# KiCad board Orthodox.kicad_pcb
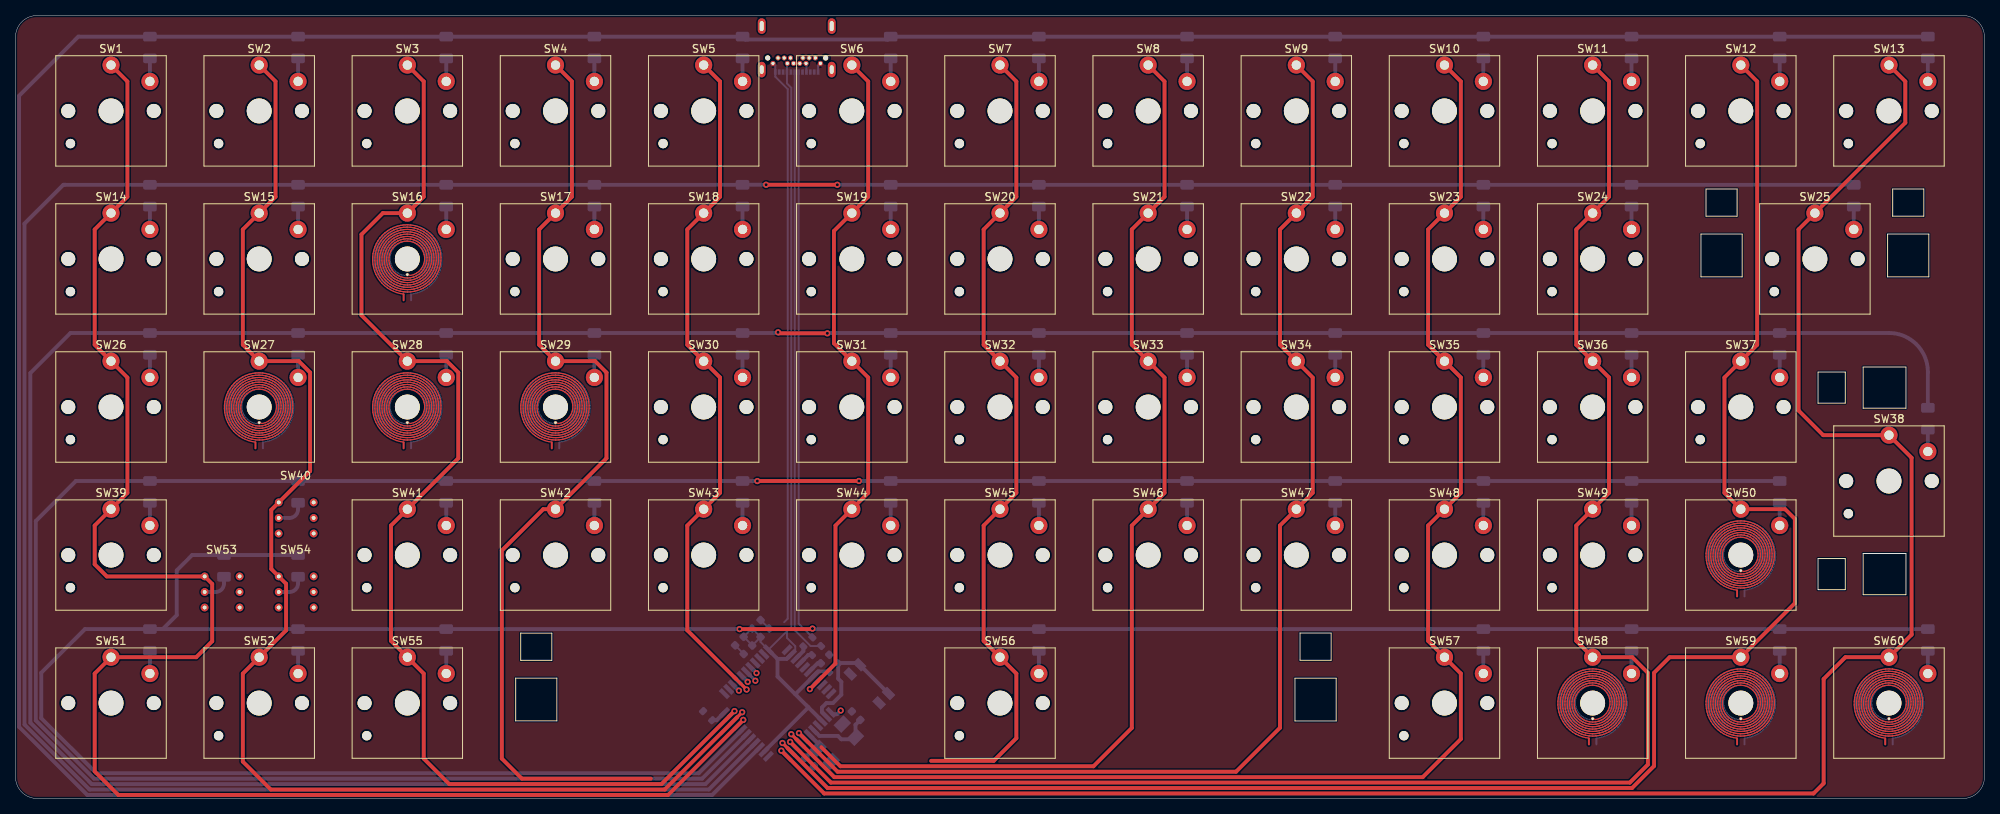
[diagram p0: board, top side]
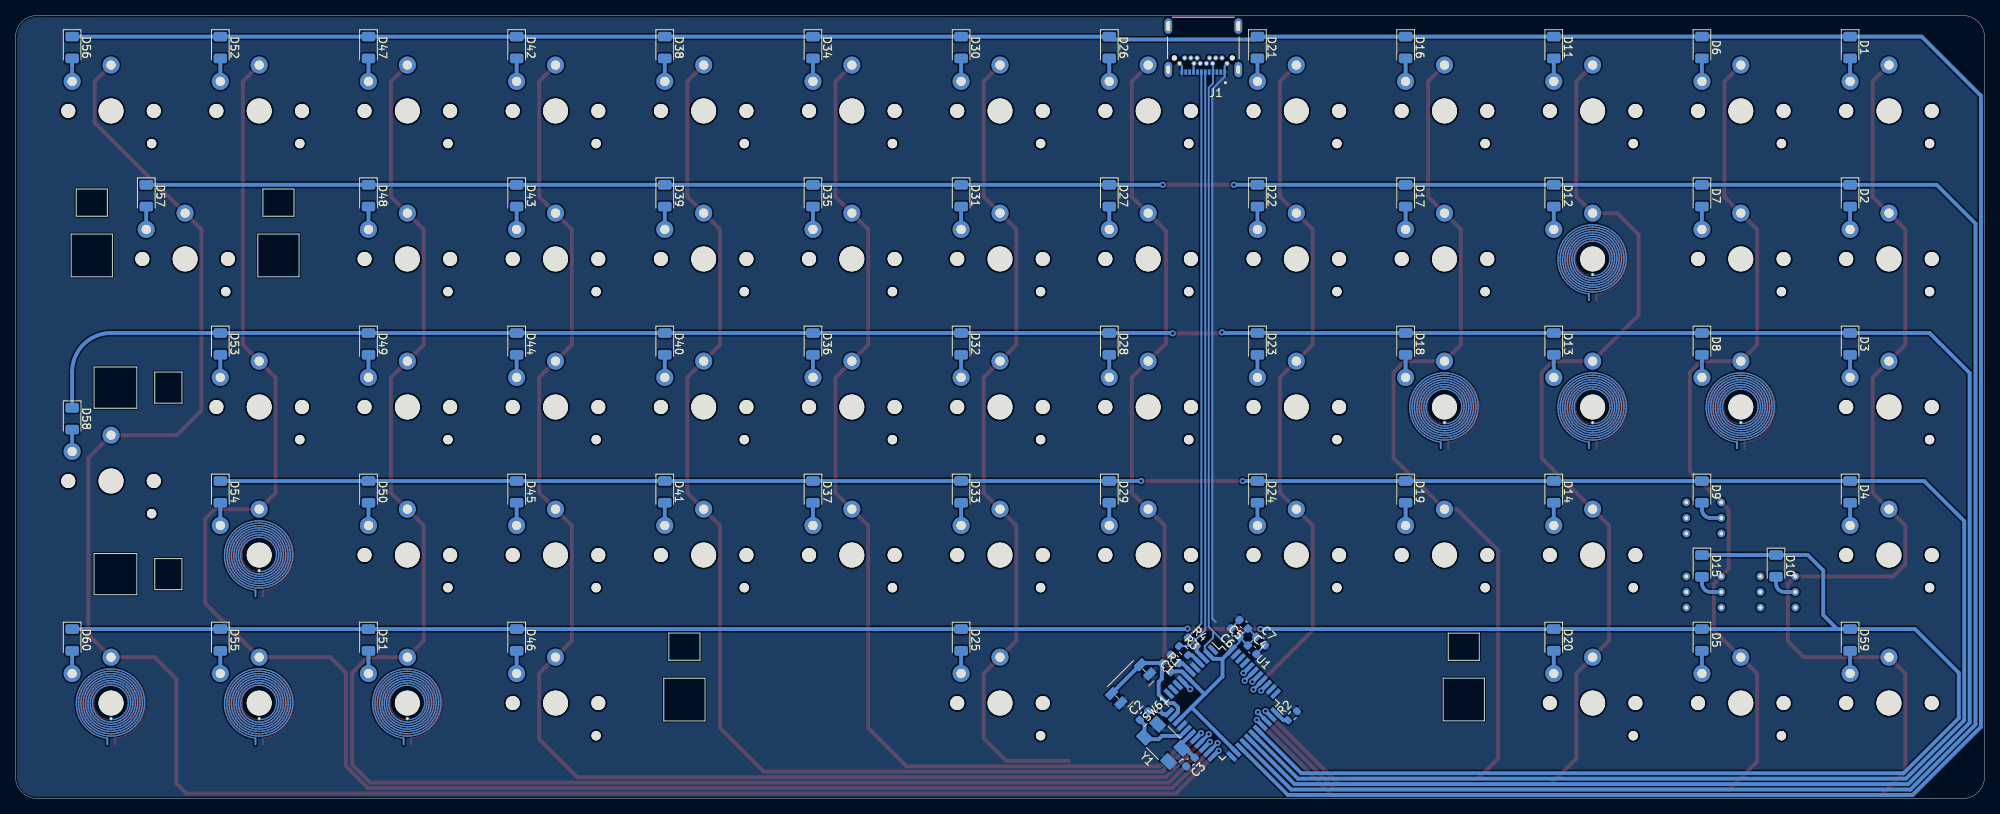
[diagram p1: board, bottom side, seen from below]

Outline 253.15 x 100.75 mm; copper layers: Top, Bottom. Coordinates in mm from the lower left corner of the outline.
Outline path: 250.4,100.75 2.75,100.75 arc(0.81,99.94) 0,98 0,2.75 arc(0.81,0.81) 2.75,0 250.4,0 arc(252.34,0.81) 253.15,2.75 253.15,98 arc(252.34,99.94) 250.4,100.75
Stack: Top 0.035mm / dielectric 1.51mm FR4 er 4.5 / Bottom 0.035mm

## Placement (name value [footprint] x y rotation side)
C1  C  [C_0603_1608Metric]  104.09 17.95 45 bottom
C2  22p  [C_0603_1608Metric]  108.06 10.66 135 bottom
C3  22p  [C_0603_1608Metric]  102.09 4.7 315 bottom
C4  C  [C_0603_1608Metric]  94.16 19.14 225 bottom
C5  C  [C_0603_1608Metric]  95.25 22.41 45 bottom
C6  C  [C_0603_1608Metric]  96.34 21.32 45 bottom
C7  C  [C_0603_1608Metric]  93.06 20.26 225 bottom
D1  D  [D_1206_3216Metric]  17.28 96.64 270 bottom
D2  D  [D_1206_3216Metric]  17.28 77.57 270 bottom
D3  D  [D_1206_3216Metric]  17.28 58.5 270 bottom
D4  D  [D_1206_3216Metric]  17.28 39.45 270 bottom
D5  D  [D_1206_3216Metric]  36.33 20.4 270 bottom
D6  D  [D_1206_3216Metric]  36.33 96.64 270 bottom
D7  D  [D_1206_3216Metric]  36.33 77.57 270 bottom
D8  D  [D_1206_3216Metric]  36.33 58.5 270 bottom
D9  D  [D_1206_3216Metric]  36.33 39.45 270 bottom
D10  D  [D_1206_3216Metric]  26.8 29.93 270 bottom
D11  D  [D_1206_3216Metric]  55.38 96.64 270 bottom
D12  D  [D_1206_3216Metric]  55.38 77.57 270 bottom
D13  D  [D_1206_3216Metric]  55.38 58.5 270 bottom
D14  D  [D_1206_3216Metric]  55.38 39.45 270 bottom
D15  D  [D_1206_3216Metric]  36.33 29.93 270 bottom
D16  D  [D_1206_3216Metric]  74.43 96.64 270 bottom
D17  D  [D_1206_3216Metric]  74.43 77.57 270 bottom
D18  D  [D_1206_3216Metric]  74.43 58.5 270 bottom
D19  D  [D_1206_3216Metric]  74.43 39.45 270 bottom
D20  D  [D_1206_3216Metric]  55.38 20.4 270 bottom
D21  D  [D_1206_3216Metric]  93.47 96.64 270 bottom
D22  D  [D_1206_3216Metric]  93.47 77.57 270 bottom
D23  D  [D_1206_3216Metric]  93.47 58.5 270 bottom
D24  D  [D_1206_3216Metric]  93.47 39.45 270 bottom
D25  D  [D_1206_3216Metric]  131.58 20.4 270 bottom
D26  D  [D_1206_3216Metric]  112.53 96.64 270 bottom
D27  D  [D_1206_3216Metric]  112.53 77.57 270 bottom
D28  D  [D_1206_3216Metric]  112.53 58.5 270 bottom
D29  D  [D_1206_3216Metric]  112.53 39.45 270 bottom
D30  D  [D_1206_3216Metric]  131.58 96.64 270 bottom
D31  D  [D_1206_3216Metric]  131.58 77.57 270 bottom
D32  D  [D_1206_3216Metric]  131.58 58.5 270 bottom
D33  D  [D_1206_3216Metric]  131.58 39.45 270 bottom
D34  D  [D_1206_3216Metric]  150.62 96.64 270 bottom
D35  D  [D_1206_3216Metric]  150.62 77.57 270 bottom
D36  D  [D_1206_3216Metric]  150.62 58.5 270 bottom
D37  D  [D_1206_3216Metric]  150.62 39.45 270 bottom
D38  D  [D_1206_3216Metric]  169.68 96.64 270 bottom
D39  D  [D_1206_3216Metric]  169.68 77.57 270 bottom
D40  D  [D_1206_3216Metric]  169.68 58.5 270 bottom
D41  D  [D_1206_3216Metric]  169.68 39.45 270 bottom
D42  D  [D_1206_3216Metric]  188.72 96.64 270 bottom
D43  D  [D_1206_3216Metric]  188.72 77.57 270 bottom
D44  D  [D_1206_3216Metric]  188.72 58.5 270 bottom
D45  D  [D_1206_3216Metric]  188.72 39.45 270 bottom
D46  D  [D_1206_3216Metric]  188.72 20.4 270 bottom
D47  D  [D_1206_3216Metric]  207.78 96.64 270 bottom
D48  D  [D_1206_3216Metric]  207.78 77.57 270 bottom
D49  D  [D_1206_3216Metric]  207.78 58.5 270 bottom
D50  D  [D_1206_3216Metric]  207.78 39.45 270 bottom
D51  D  [D_1206_3216Metric]  207.78 20.4 270 bottom
D52  D  [D_1206_3216Metric]  226.83 96.64 270 bottom
D53  D  [D_1206_3216Metric]  226.83 58.5 270 bottom
D54  D  [D_1206_3216Metric]  226.83 39.45 270 bottom
D55  D  [D_1206_3216Metric]  226.83 20.4 270 bottom
D56  D  [D_1206_3216Metric]  245.88 96.64 270 bottom
D57  D  [D_1206_3216Metric]  236.34 77.57 270 bottom
D58  D  [D_1206_3216Metric]  245.88 48.87 270 bottom
D59  D  [D_1206_3216Metric]  17.28 20.4 270 bottom
D60  D  [D_1206_3216Metric]  245.88 20.4 270 bottom
J1  USB_C_Receptacle_USB2.0  [GCT_USB4055-30-A]  100.44 98.05 0 bottom
R1  10k  [R_0603_1608Metric]  105.19 16.84 225 bottom
R2  10k  [R_0603_1608Metric]  88.98 10.65 135 bottom
R3  22R  [R_0603_1608Metric]  102.99 19.04 225 bottom
R4  22R  [R_0603_1608Metric]  101.88 20.15 225 bottom
SW1  SW_Push  [SW_Kailh_Choc_V1_1.00u]  12.28 88.48 0 top
SW2  SW_Push  [SW_Kailh_Choc_V1_1.00u]  31.33 88.48 0 top
SW3  SW_Push  [SW_Kailh_Choc_V1_1.00u]  50.38 88.48 0 top
SW4  SW_Push  [SW_Kailh_Choc_V1_1.00u]  69.43 88.48 0 top
SW5  SW_Push  [SW_Kailh_Choc_V1_1.00u]  88.47 88.48 0 top
SW6  SW_Push  [SW_Kailh_Choc_V1_1.00u]  107.53 88.48 0 top
SW7  SW_Push  [SW_Kailh_Choc_V1_1.00u]  126.58 88.48 0 top
SW8  SW_Push  [SW_Kailh_Choc_V1_1.00u]  145.62 88.48 0 top
SW9  SW_Push  [SW_Kailh_Choc_V1_1.00u]  164.68 88.48 0 top
SW10  SW_Push  [SW_Kailh_Choc_V1_1.00u]  183.72 88.48 0 top
SW11  SW_Push  [SW_Kailh_Choc_V1_1.00u]  202.78 88.48 0 top
SW12  SW_Push  [SW_Kailh_Choc_V1_1.00u]  221.83 88.48 0 top
SW13  SW_Push  [SW_Kailh_Choc_V1_1.00u]  240.88 88.48 0 top
SW14  SW_Push  [SW_Kailh_Choc_V1_1.00u]  12.28 69.43 0 top
SW15  SW_Push  [SW_Kailh_Choc_V1_1.00u]  31.33 69.43 0 top
SW16  SW_Push  [SW_Kailh_Choc_V1_1.00u_coil]  50.38 69.43 0 top
SW17  SW_Push  [SW_Kailh_Choc_V1_1.00u]  69.43 69.43 0 top
SW18  SW_Push  [SW_Kailh_Choc_V1_1.00u]  88.47 69.43 0 top
SW19  SW_Push  [SW_Kailh_Choc_V1_1.00u]  107.53 69.43 0 top
SW20  SW_Push  [SW_Kailh_Choc_V1_1.00u]  126.58 69.43 0 top
SW21  SW_Push  [SW_Kailh_Choc_V1_1.00u]  145.62 69.43 0 top
SW22  SW_Push  [SW_Kailh_Choc_V1_1.00u]  164.68 69.43 0 top
SW23  SW_Push  [SW_Kailh_Choc_V1_1.00u]  183.72 69.43 0 top
SW24  SW_Push  [SW_Kailh_Choc_V1_1.00u]  202.78 69.43 0 top
SW25  SW_Push  [SW_Kailh_Choc_V1_2.00u]  231.35 69.43 0 top
SW26  SW_Push  [SW_Kailh_Choc_V1_1.00u]  12.28 50.38 0 top
SW27  SW_Push  [SW_Kailh_Choc_V1_1.00u_coil]  31.33 50.38 0 top
SW28  SW_Push  [SW_Kailh_Choc_V1_1.00u_coil]  50.38 50.38 0 top
SW29  SW_Push  [SW_Kailh_Choc_V1_1.00u_coil]  69.43 50.38 0 top
SW30  SW_Push  [SW_Kailh_Choc_V1_1.00u]  88.47 50.38 0 top
SW31  SW_Push  [SW_Kailh_Choc_V1_1.00u]  107.53 50.38 0 top
SW32  SW_Push  [SW_Kailh_Choc_V1_1.00u]  126.58 50.38 0 top
SW33  SW_Push  [SW_Kailh_Choc_V1_1.00u]  145.62 50.38 0 top
SW34  SW_Push  [SW_Kailh_Choc_V1_1.00u]  164.68 50.38 0 top
SW35  SW_Push  [SW_Kailh_Choc_V1_1.00u]  183.72 50.38 0 top
SW36  SW_Push  [SW_Kailh_Choc_V1_1.00u]  202.78 50.38 0 top
SW37  SW_Push  [SW_Kailh_Choc_V1_1.00u]  221.83 50.38 0 top
SW38  SW_Push  [SW_Kailh_Choc_V1_2.00u_Rotated]  240.88 40.85 0 top
SW39  SW_Push  [SW_Kailh_Choc_V1_1.00u]  12.28 31.33 0 top
SW40  RED  [SW_58_Series_Kalih]  36.09 36.09 0 top
SW41  SW_Push  [SW_Kailh_Choc_V1_1.00u]  50.38 31.33 0 top
SW42  SW_Push  [SW_Kailh_Choc_V1_1.00u]  69.43 31.33 0 top
SW43  SW_Push  [SW_Kailh_Choc_V1_1.00u]  88.47 31.33 0 top
SW44  SW_Push  [SW_Kailh_Choc_V1_1.00u]  107.53 31.33 0 top
SW45  SW_Push  [SW_Kailh_Choc_V1_1.00u]  126.58 31.33 0 top
SW46  SW_Push  [SW_Kailh_Choc_V1_1.00u]  145.62 31.33 0 top
SW47  SW_Push  [SW_Kailh_Choc_V1_1.00u]  164.68 31.33 0 top
SW48  SW_Push  [SW_Kailh_Choc_V1_1.00u]  183.72 31.33 0 top
SW49  SW_Push  [SW_Kailh_Choc_V1_1.00u]  202.78 31.33 0 top
SW50  SW_Push  [SW_Kailh_Choc_V1_1.00u_coil]  221.83 31.33 0 top
SW51  SW_Push  [SW_Kailh_Choc_V1_1.00u#2]  12.28 12.28 0 top
SW52  SW_Push  [SW_Kailh_Choc_V1_1.00u]  31.33 12.28 0 top
SW53  BLUE  [SW_58_Series_Kalih]  26.57 26.56 0 top
SW54  GREEN  [SW_58_Series_Kalih]  36.09 26.56 0 top
SW55  SW_Push  [SW_Kailh_Choc_V1_1.00u]  50.38 12.28 0 top
SW56  SW_Push  [SW_Kailh_Choc_V1_6.00u_Offset]  117.05 12.28 0 top
SW57  SW_Push  [SW_Kailh_Choc_V1_1.00u]  183.72 12.28 0 top
SW58  SW_Push  [SW_Kailh_Choc_V1_1.00u_coil]  202.78 12.28 0 top
SW59  SW_Push  [SW_Kailh_Choc_V1_1.00u_coil]  221.83 12.28 0 top
SW60  SW_Push  [SW_Kailh_Choc_V1_1.00u_coil]  240.88 12.28 0 top
SW61  SW_Push  [Panasonic_EVQPUJ_EVQPUA]  109.78 14.76 315 bottom
U1  ATmega32U4-A  [TQFP-44_10x10mm_P0.8mm]  98 12.28 225 bottom
Y1  Crystal_GND24  [Crystal_SMD_0603-4Pin_6.0x3.5mm]  105.59 7.16 45 bottom

## Footprints (pads in the part's own frame, mm; a bottom-side part is the same pattern mirrored in y, then rotated)
C_0603_1608Metric
  rrect 0.9x0.95 smd: 1(-0.775,0) 2(0.775,0)
Crystal_SMD_0603-4Pin_6.0x3.5mm
  rect 1.8x1.4 smd: 1(-2.2,-1.2) 2(2.2,-1.2) 3(2.2,1.2) 4(-2.2,1.2)
D_1206_3216Metric
  rrect 1.25x1.75 smd: 1(-1.4,0) 2(1.4,0)
GCT_USB4055-30-A
  round 0.65 hole 0.65 unplated: (-3.725,2.75) (3.725,2.75)
  rect 0.35x0.7 smd: A1(-2.75,4.57) A2(-2.25,4.57) A3(-1.75,4.57) A4(-1.25,4.57) A5(-0.75,4.57) A6(-0.25,4.57) A7(0.25,4.57) A8(0.75,4.57) A9(1.25,4.57) A10(1.75,4.57) A11(2.25,4.57) A12(2.75,4.57)
  round 0.65 hole 0.4: B1(3.05,3.45) B2(2.4,2.75) B3(1.6,2.75) B4(1.2,3.45) B5(0.8,2.75) B6(0.4,3.45) B7(-0.4,3.45) B8(-0.8,2.75) B9(-1.2,3.45) B10(-1.6,2.75) B11(-2.4,2.75) B12(-3.05,3.45)
  oval 1x2 hole 0.5x1.1: S1(-4.5,4.25) S2(4.5,4.25)
  oval 1x2 hole 0.5x1.3: S3(-4.5,-1.35) S4(4.5,-1.35)
Panasonic_EVQPUJ_EVQPUA
  rect 1.55x1 smd: 1(-2.625,0.85) 1(2.625,0.85) 2(-2.625,-0.85) 2(2.625,-0.85)
R_0603_1608Metric
  rrect 0.8x0.95 smd: 1(-0.825,0) 2(0.825,0)
SW_58_Series_Kalih
  round 1 hole 0.5: 1(-2.25,2.01) 2(-2.25,0.01) 3(-2.26,-1.99) 4(2.24,2.01) 5(2.24,0.01) 6(2.24,-1.99)
SW_Kailh_Choc_V1_1.00u
  round 1.8 hole 1.8 unplated: (-5.5,0) (5.5,0)
  round 1.2 hole 1.2 unplated: (-5.22,-4.2)
  round 3.2 hole 3.2 unplated: (0,0)
  round 2.2 hole 1.2: 1(0,5.9) 2(5,3.8)
SW_Kailh_Choc_V1_1.00u#2
  round 1.8 hole 1.8 unplated: (-5.5,0) (5.5,0)
  round 3.2 hole 3.2 unplated: (0,0)
  round 2.2 hole 1.2: 1(0,5.9) 2(5,3.8)
SW_Kailh_Choc_V1_1.00u_coil
  round 3.2 hole 3.2 unplated: (0,0)
  round 0.43 hole 0.3: (0,-2.01)
  round 2.2 hole 1.2: 1(0,5.9) 2(5,3.8)
  rrect 0.25x1 smd far side: 3(0.48,-4.94)
  rrect 0.25x1 smd: 4(-0.48,-4.94)
SW_Kailh_Choc_V1_2.00u
  round 1.8 hole 1.8 unplated: (-5.5,0) (5.5,0)
  round 1.2 hole 1.2 unplated: (-5.22,-4.2)
  round 3.2 hole 3.2 unplated: (0,0)
  round 2.2 hole 1.2: 1(0,5.9) 2(5,3.8)
SW_Kailh_Choc_V1_2.00u_Rotated
  round 1.8 hole 1.8 unplated: (-5.5,0) (5.5,0)
  round 1.2 hole 1.2 unplated: (-5.22,-4.2)
  round 3.2 hole 3.2 unplated: (0,0)
  round 2.2 hole 1.2: 1(0,5.9) 2(5,3.8)
SW_Kailh_Choc_V1_6.00u_Offset
  round 1.8 hole 1.8 unplated: (4.025,0) (15.025,0)
  round 1.2 hole 1.2 unplated: (4.305,-4.2)
  round 3.2 hole 3.2 unplated: (9.525,0)
  round 2.2 hole 1.2: 1(9.525,5.9) 2(14.525,3.8)
TQFP-44_10x10mm_P0.8mm
  rect 1.5x0.55 smd: 1(-5.7,4) 2(-5.7,3.2) 3(-5.7,2.4) 4(-5.7,1.6) 5(-5.7,0.8) 6(-5.7,0) 7(-5.7,-0.8) 8(-5.7,-1.6) 9(-5.7,-2.4) 10(-5.7,-3.2) 11(-5.7,-4) 23(5.7,-4) 24(5.7,-3.2) 25(5.7,-2.4) 26(5.7,-1.6) 27(5.7,-0.8) 28(5.7,0) 29(5.7,0.8) 30(5.7,1.6) 31(5.7,2.4) 32(5.7,3.2) 33(5.7,4)
  rect 0.55x1.5 smd: 12(-4,-5.7) 13(-3.2,-5.7) 14(-2.4,-5.7) 15(-1.6,-5.7) 16(-0.8,-5.7) 17(0,-5.7) 18(0.8,-5.7) 19(1.6,-5.7) 20(2.4,-5.7) 21(3.2,-5.7) 22(4,-5.7) 34(4,5.7) 35(3.2,5.7) 36(2.4,5.7) 37(1.6,5.7) 38(0.8,5.7) 39(0,5.7) 40(-0.8,5.7) 41(-1.6,5.7) 42(-2.4,5.7) 43(-3.2,5.7) 44(-4,5.7)

## Nets
+5V: C4.1 C5.1 C6.1 C7.1 J1.A4 J1.A9 J1.B4 J1.B9 R1.2 U1.2 U1.7 U1.14 U1.24 U1.34 U1.44
GND: C1.2 C2.2 C3.2 C4.2 C5.2 C6.2 C7.2 J1.A1 J1.A12 J1.B1 J1.B12 R2.2 SW61.1 U1.5 U1.15 U1.23 U1.35 U1.43 Y1.2 Y1.4
COL0: SW1.1 SW14.1 SW26.1 SW39.1 SW51.1 SW53.1 U1.30
COL1: SW2.1 SW15.1 SW27.1 SW40.1 SW52.1 SW54.1 U1.31
COL2: SW3.1 SW16.1 SW28.1 SW41.1 SW55.1 U1.32
COL3: SW4.1 SW17.1 SW29.1 SW42.1 U1.36
COL4: SW5.1 SW18.1 SW30.1 SW43.1 U1.37
COL5: SW6.1 SW19.1 SW31.1 SW44.1 U1.8
COL6: SW7.1 SW20.1 SW32.1 SW45.1 SW56.1 U1.41
COL7: SW8.1 SW21.1 SW33.1 SW46.1 U1.12
COL8: SW9.1 SW22.1 SW34.1 SW47.1 U1.18
COL9: SW10.1 SW23.1 SW35.1 SW48.1 SW57.1 U1.19
COL10: SW11.1 SW24.1 SW36.1 SW49.1 SW58.1 U1.20
COL11: SW12.1 SW37.1 SW50.1 SW59.1 U1.21
COL12: SW13.1 SW25.1 SW38.1 SW60.1 U1.22
D+: J1.A6 J1.B6 R3.1
D-: J1.A7 J1.B7 R4.1
MISO: U1.11
MOSI: U1.10
Reset: R1.1 SW61.2 U1.13
ROW0: D1.1 D6.1 D11.1 D16.1 D21.1 D26.1 D30.1 D34.1 D38.1 D42.1 D47.1 D52.1 D56.1 U1.25
ROW1: D2.1 D7.1 D12.1 D17.1 D22.1 D27.1 D31.1 D35.1 D39.1 D43.1 D48.1 D57.1 U1.26
ROW2: D3.1 D8.1 D13.1 D18.1 D23.1 D28.1 D32.1 D36.1 D40.1 D44.1 D49.1 D53.1 D58.1 U1.27
ROW3: D4.1 D9.1 D14.1 D19.1 D24.1 D29.1 D33.1 D37.1 D41.1 D45.1 D50.1 D54.1 U1.28
ROW4: D5.1 D10.1 D15.1 D20.1 D25.1 D46.1 D51.1 D55.1 D59.1 D60.1 U1.29
SCK: U1.9
XTAL1: C3.1 U1.17 Y1.1
XTAL2: C2.1 U1.16 Y1.3
Net-(C1-Pad1): C1.1 U1.6
Net-(D1-Pad2): D1.2 SW1.2
Net-(D2-Pad2): D2.2 SW14.2
Net-(D3-Pad2): D3.2 SW26.2
Net-(D4-Pad2): D4.2 SW39.2
Net-(D5-Pad2): D5.2 SW52.2
Net-(D6-Pad2): D6.2 SW2.2
Net-(D7-Pad2): D7.2 SW15.2
Net-(D8-Pad2): D8.2 SW27.2
Net-(D9-Pad2): D9.2 SW40.2
Net-(D10-Pad2): D10.2 SW53.2
Net-(D11-Pad2): D11.2 SW3.2
Net-(D12-Pad2): D12.2 SW16.2
Net-(D13-Pad2): D13.2 SW28.2
Net-(D14-Pad2): D14.2 SW41.2
Net-(D15-Pad2): D15.2 SW54.2
Net-(D16-Pad2): D16.2 SW4.2
Net-(D17-Pad2): D17.2 SW17.2
Net-(D18-Pad2): D18.2 SW29.2
Net-(D19-Pad2): D19.2 SW42.2
Net-(D20-Pad2): D20.2 SW55.2
Net-(D21-Pad2): D21.2 SW5.2
Net-(D22-Pad2): D22.2 SW18.2
Net-(D23-Pad2): D23.2 SW30.2
Net-(D24-Pad2): D24.2 SW43.2
Net-(D25-Pad2): D25.2 SW56.2
Net-(D26-Pad2): D26.2 SW6.2
Net-(D27-Pad2): D27.2 SW19.2
Net-(D28-Pad2): D28.2 SW31.2
Net-(D29-Pad2): D29.2 SW44.2
Net-(D30-Pad2): D30.2 SW7.2
Net-(D31-Pad2): D31.2 SW20.2
Net-(D32-Pad2): D32.2 SW32.2
Net-(D33-Pad2): D33.2 SW45.2
Net-(D34-Pad2): D34.2 SW8.2
Net-(D35-Pad2): D35.2 SW21.2
Net-(D36-Pad2): D36.2 SW33.2
Net-(D37-Pad2): D37.2 SW46.2
Net-(D38-Pad2): D38.2 SW9.2
Net-(D39-Pad2): D39.2 SW22.2
Net-(D40-Pad2): D40.2 SW34.2
Net-(D41-Pad2): D41.2 SW47.2
Net-(D42-Pad2): D42.2 SW10.2
Net-(D43-Pad2): D43.2 SW23.2
Net-(D44-Pad2): D44.2 SW35.2
Net-(D45-Pad2): D45.2 SW48.2
Net-(D46-Pad2): D46.2 SW57.2
Net-(D47-Pad2): D47.2 SW11.2
Net-(D48-Pad2): D48.2 SW24.2
Net-(D49-Pad2): D49.2 SW36.2
Net-(D50-Pad2): D50.2 SW49.2
Net-(D51-Pad2): D51.2 SW58.2
Net-(D52-Pad2): D52.2 SW12.2
Net-(D53-Pad2): D53.2 SW37.2
Net-(D54-Pad2): D54.2 SW50.2
Net-(D55-Pad2): D55.2 SW59.2
Net-(D56-Pad2): D56.2 SW13.2
Net-(D57-Pad2): D57.2 SW25.2
Net-(D58-Pad2): D58.2 SW38.2
Net-(D59-Pad2): D59.2 SW51.2
Net-(D60-Pad2): D60.2 SW60.2
Net-(R2-Pad1): R2.1 U1.33
Net-(R3-Pad2): R3.2 U1.4
Net-(R4-Pad2): R4.2 U1.3

Pads without a net: J1 A2 A3 A5 A8 A10 A11 B2 B3 B5 B8 B10 B11 S1 S2 S3 S4; SW16 3 4; SW27 3 4; SW28 3 4; SW29 3 4; SW40 3 4 5 6; SW50 3 4; SW53 3 4 5 6; SW54 3 4 5 6; SW58 3 4; SW59 3 4; SW60 3 4; U1 1 38 39 40 42

## Via types
v1: diameter 0.8, hole 0.4, Top to Bottom, 23 vias

## Routing (per net, layer and track width the routed paths; a pad name or vN(x,y) marks a point on that pad's centre or on a via; arc(x,y) is an arc through that point)
+5V: length 117
  Bottom w0.25: J1.A9 101.69,94.55 J1.B4 ; C6.1 95.79,20.14 U1.44 99.19,21.53 ; C6.1 95.79,20.76 C4.1 94.71,19.7 C7.1 94.67,21.86 C5.1 C6.1 ; 99.19,21.53 99.74,22.08 99.74,91.46 99.19,92.01 J1.A4 99.19,94.55 J1.B9 ; 99.19,21.53 99.19,20.67 100.25,19.6 100.25,19.05
  Bottom w0.5: 97.97,17.96 97.97,15.7 100.26,13.41 ; 97.97,17.96 U1.44 ; 97.97,17.96 99.15,17.96 U1.2 ; 100.26,13.41 101.94,11.72 ; 100.26,13.41 102.59,15.74 U1.7 103.2,16.35 104.51,16.35 R1.2 ; 101.94,11.72 96.23,6.01 U1.24 ; 101.94,11.72 U1.14
GND: length 77.2
  Bottom w0.25: J1.B1 103.19,94.3 J1.A12 ; C7.2 93.62,18.61 C4.2 ; 98.84,22.7 99.29,23.15 99.29,91.27 97.69,92.88 J1.A1 97.69,94.3 J1.B12 ; C6.2 C5.2
COL0: length 212.7
  Top w0.5: SW1.1 14.38,92.27 14.38,77.43 SW14.1 10.17,73.22 10.17,58.38 SW26.1 14.38,54.17 14.38,39.33 SW39.1 10.17,35.12 10.17,30.13 11.73,28.57 SW53.1 25.29,27.6 25.29,20.24 23.23,18.18 SW51.1 10.17,16.07 10.17,3.49 13.21,0.45 83.91,0.45 v1(93.57,10.11) ; 11.83,18.02 12.28,18.02 12.48,18.22
COL1: length 175.4
  Top w0.4: 92.79,10.46 93.43,11.1 v1(93.43,11.1)
  Top w0.5: 92.78,10.47 83.47,1.15 32.81,1.15 29.22,4.74 29.22,16.07 SW52.1 34.79,21.64 34.79,27.62 SW54.1 32.88,29.53 32.88,37.14 SW40.1 37.88,42.14 37.88,54.82 36.42,56.28 SW27.1 29.22,58.38 29.22,73.22 SW15.1 33.43,77.43 33.43,92.27 SW2.1
  Bottom w0.4: U1.31 v1(93.43,11.1)
COL2: length 155
  Top w0.5: v1(92.44,11.24) 83.04,1.85 55.76,1.85 52.48,5.13 52.48,16.07 SW55.1 48.27,20.28 48.27,35.12 SW41.1 56.93,43.78 56.93,54.82 55.47,56.28 SW28.1 44.48,62.18 44.48,72.58 47.23,75.33 SW16.1 52.48,77.43 52.48,92.27 SW3.1
  Bottom w0.5: U1.32 v1(92.44,11.24)
COL3: length 126.2
  Top w0.5: SW4.1 71.53,92.27 71.53,77.43 SW17.1 67.32,73.22 67.32,58.38 SW29.1 74.52,56.28 75.97,54.82 75.97,43.78 SW42.1 67.84,37.23 62.52,31.91 62.52,5.13 65.1,2.55 81.68,2.55
  Bottom w0.5: U1.36 v1(93,13.87)
COL4: length 91.3
  Top w0.4: v1(93.99,14.02) 92.67,15.34
  Top w0.5: SW5.1 90.58,92.27 90.58,77.43 SW18.1 86.37,73.22 86.37,58.38 SW30.1 90.58,54.17 90.58,39.33 SW43.1 86.37,35.12 86.37,21.64 92.67,15.34
  Bottom w0.4: U1.37 v1(93.99,14.02)
COL5: length 89.5
  Top w0.5: SW6.1 109.63,92.27 109.63,77.43 SW19.1 105.22,73.02 105.22,58.58 SW31.1 109.63,54.17 109.63,39.33 SW44.1 105.42,35.12 105.42,17.37 v1(102.13,14.07)
  Bottom w0.5: v1(102.13,14.07) 103.16,15.1 U1.8
COL6: length 106.6
  Top w0.5: 117.72,4.84 125.77,4.84 128.68,7.76 128.68,16.07 SW56.1 124.47,20.28 124.47,35.12 SW45.1 128.68,39.33 128.68,54.17 SW32.1 124.47,58.38 124.47,73.22 SW20.1 128.68,77.43 128.68,92.27 SW7.1
COL7: length 135.9
  Top w0.5: 103.59,6.61 106.06,4.14 138.59,4.14 143.52,9.07 143.52,35.12 SW46.1 147.73,39.33 147.73,54.17 SW33.1 143.52,58.38 143.52,73.22 SW21.1 147.73,77.43 147.73,92.27 SW8.1
  Bottom w0.5: U1.12 105.08,10.84 105.62,10.84 v1(106.09,11.32)
COL8: length 158.7
  Top w0.5: v1(100.72,8.41) 105.7,3.44 156.92,3.44 162.57,9.09 162.57,35.12 SW47.1 166.78,39.33 166.78,54.17 SW34.1 162.57,58.38 162.57,73.22 SW22.1 166.78,77.43 166.78,92.27 SW9.1
  Bottom w0.5: U1.18 v1(100.72,8.41)
COL9: length 186.6
  Top w0.4: 100.37,7.63 99.74,8.27 v1(99.74,8.27)
  Top w0.5: SW10.1 185.83,92.27 185.83,77.43 SW23.1 181.62,73.22 181.62,58.38 SW35.1 185.83,54.17 185.83,39.33 SW48.1 181.62,35.12 181.62,20.28 SW57.1 185.83,16.07 185.83,7.65 180.92,2.74 105.27,2.74 100.38,7.64
  Bottom w0.4: U1.19 v1(99.74,8.27)
COL10: length 217.4
  Top w0.5: v1(99.59,7.28) 104.83,2.04 207.55,2.04 209.88,4.36 209.88,16.17 207.87,18.18 SW58.1 200.67,20.28 200.67,35.12 SW49.1 204.88,39.33 204.88,54.17 SW36.1 200.67,58.38 200.67,73.22 SW24.1 204.88,77.43 204.88,92.27 SW11.1
  Bottom w0.5: U1.20 v1(99.59,7.28)
COL11: length 230
  Top w0.4: v1(98.6,7.14) 98.61,7.14 99.24,6.5
  Top w0.5: 99.25,6.51 104.41,1.34 207.84,1.34 210.67,4.18 210.67,16.18 212.67,18.18 SW59.1 228.78,25.12 228.78,35.98 227.53,37.23 SW50.1 219.72,39.33 219.72,54.17 SW37.1 223.93,58.38 223.93,92.27 SW12.1
  Bottom w0.4: v1(98.6,7.14) 99.76,5.98 U1.21
COL12: length 255.8
  Top w0.5: v1(98.46,6.15) 103.97,0.64 231.18,0.64 232.47,1.94 232.47,15.38 235.28,18.18 SW60.1 243.78,21.09 243.78,43.84 240.88,46.75 232.42,46.75 229.25,49.92 229.25,73.22 SW25.1 242.98,86.95 242.98,92.27 SW13.1
  Bottom w0.5: 99.19,5.42 v1(98.46,6.15)
D+: length 76
  Bottom w0.25: R3.1 102.22,19.62 100.19,21.66 J1.A6
D-: length 73.5
  Bottom w0.25: R4.1 100.69,22.5 J1.A7
Reset: length 17
  Bottom w0.5: U1.13 103.68,11.12 103.68,11.71 104.25,12.28 105.09,12.28 106.18,13.36 106.18,15.01 105.77,15.41 R1.1 108.31,17.43 SW61.2 SW61.2
ROW0: length 431.5
  Bottom w0.5: U1.25 89.56,0.45 9.22,0.45 0.45,9.22 0.45,90.42 8.07,98.04 D1.1 D21.1 93.84,97.67 112.16,97.67 D26.1 D56.1
ROW1: length 401.7
  Top w0.5: v1(96.5,78.98) v1(105.66,78.98)
  Bottom w0.5: v1(96.5,78.98) 93.48,78.98 D22.1 D2.1 6.35,78.97 6.14,78.97 1.15,73.98 1.15,9.51 9.51,1.15 89.13,1.15 U1.26 95.1,7.08 ; v1(105.66,78.98) 105.66,78.97 D27.1 D57.1
ROW2: length 397
  Top w0.5: v1(104.38,59.86) 98.16,59.86 v1(98.03,59.99)
  Bottom w0.5: U1.27 88.7,1.85 9.8,1.85 1.9,9.75 1.9,54.75 7.05,59.9 D3.1 D23.1 97.95,59.9 v1(98.03,59.99) ; v1(104.38,59.86) 104.42,59.9 D28.1 D53.1 240.88,59.9 arc(244.41,58.44) 245.88,54.9 D58.1
ROW3: length 348.8
  Top w0.5: v1(95.38,40.84) 95.39,40.86 v1(108.44,40.86)
  Bottom w0.5: D54.1 D29.1 108.44,40.85 v1(108.44,40.86) ; U1.28 88.27,2.55 10.09,2.55 2.6,10.04 2.6,35.7 7.76,40.85 D4.1 D24.1 95.37,40.85 v1(95.38,40.84)
ROW4: length 372.5
  Top w0.5: v1(93.09,21.8) 102.4,21.8 v1(102.46,21.86)
  Bottom w0.5: D15.1 D10.1 22.71,31.33 20.73,29.34 20.73,23.59 18.93,21.8 D59.1 ; D59.1 8.93,21.8 3.3,16.17 3.3,10.33 10.38,3.25 87.84,3.25 U1.29 ; D59.1 D5.1 D20.1 93.08,21.8 v1(93.09,21.8) ; v1(102.46,21.86) 102.53,21.8 D25.1 D60.1
XTAL1: length 4.4
  Bottom w0.5: C3.1 102.76,6.46 Y1.1 103.19,7.09 U1.17
XTAL2: length 8.5
  Bottom w0.5: U1.16 103.36,8.05 105.75,8.05 106.18,7.62 107.74,7.62 Y1.3 107.99,9.49 C2.1
Net-(C1-Pad1): length 2
  Bottom w0.5: C1.1 103.12,17.4 U1.6
Net-(D1-Pad2): length 3
  Bottom w0.5: SW1.2 D1.2
Net-(D2-Pad2): length 2.9
  Bottom w0.5: SW14.2 D2.2
Net-(D3-Pad2): length 2.9
  Bottom w0.5: D3.2 SW26.2
Net-(D4-Pad2): length 2.9
  Bottom w0.5: SW39.2 D4.2
Net-(D5-Pad2): length 2.9
  Bottom w0.5: SW52.2 D5.2
Net-(D6-Pad2): length 3
  Bottom w0.5: SW2.2 D6.2
Net-(D7-Pad2): length 2.9
  Bottom w0.5: SW15.2 D7.2
Net-(D8-Pad2): length 2.9
  Bottom w0.5: D8.2 SW27.2
Net-(D9-Pad2): length 4
  Bottom w0.5: D9.2 36.33,37.21 arc(36,36.42) 35.21,36.1 SW40.2
Net-(D10-Pad2): length 4
  Bottom w0.5: D10.2 26.8,27.65 arc(26.48,26.89) 25.72,26.57 SW53.2
Net-(D11-Pad2): length 3
  Bottom w0.5: SW3.2 D11.2
Net-(D12-Pad2): length 2.9
  Bottom w0.5: SW16.2 D12.2
Net-(D13-Pad2): length 2.9
  Bottom w0.5: SW28.2 D13.2
Net-(D14-Pad2): length 2.9
  Bottom w0.5: SW41.2 D14.2
Net-(D15-Pad2): length 4
  Bottom w0.5: D15.2 36.33,27.68 arc(36,26.9) 35.22,26.57 SW54.2
Net-(D16-Pad2): length 3
  Bottom w0.5: SW4.2 D16.2
Net-(D17-Pad2): length 2.9
  Bottom w0.5: SW17.2 D17.2
Net-(D18-Pad2): length 2.9
  Bottom w0.5: SW29.2 D18.2
Net-(D19-Pad2): length 2.9
  Bottom w0.5: SW42.2 D19.2
Net-(D20-Pad2): length 2.9
  Bottom w0.5: SW55.2 D20.2
Net-(D21-Pad2): length 3
  Bottom w0.5: SW5.2 D21.2
Net-(D22-Pad2): length 2.9
  Bottom w0.5: SW18.2 D22.2
Net-(D23-Pad2): length 2.9
  Bottom w0.5: SW30.2 D23.2
Net-(D24-Pad2): length 2.9
  Bottom w0.5: SW43.2 D24.2
Net-(D25-Pad2): length 2.9
  Bottom w0.5: SW56.2 D25.2
Net-(D26-Pad2): length 3
  Bottom w0.5: SW6.2 D26.2
Net-(D27-Pad2): length 2.9
  Bottom w0.5: SW19.2 D27.2
Net-(D28-Pad2): length 2.9
  Bottom w0.5: SW31.2 D28.2
Net-(D29-Pad2): length 2.9
  Bottom w0.5: SW44.2 D29.2
Net-(D30-Pad2): length 3
  Bottom w0.5: SW7.2 D30.2
Net-(D31-Pad2): length 2.9
  Bottom w0.5: SW20.2 D31.2
Net-(D32-Pad2): length 2.9
  Bottom w0.5: SW32.2 D32.2
Net-(D33-Pad2): length 2.9
  Bottom w0.5: SW45.2 D33.2
Net-(D34-Pad2): length 3
  Bottom w0.5: SW8.2 D34.2
Net-(D35-Pad2): length 2.9
  Bottom w0.5: SW21.2 D35.2
Net-(D36-Pad2): length 2.9
  Bottom w0.5: SW33.2 D36.2
Net-(D37-Pad2): length 2.9
  Bottom w0.5: SW46.2 D37.2
Net-(D38-Pad2): length 3
  Bottom w0.5: SW9.2 D38.2
Net-(D39-Pad2): length 2.9
  Bottom w0.5: SW22.2 D39.2
Net-(D40-Pad2): length 2.9
  Bottom w0.5: SW34.2 D40.2
Net-(D41-Pad2): length 2.9
  Bottom w0.5: SW47.2 D41.2
Net-(D42-Pad2): length 3
  Bottom w0.5: SW10.2 D42.2
Net-(D43-Pad2): length 2.9
  Bottom w0.5: SW23.2 D43.2
Net-(D44-Pad2): length 2.9
  Bottom w0.5: SW35.2 D44.2
Net-(D45-Pad2): length 2.9
  Bottom w0.5: SW48.2 D45.2
Net-(D46-Pad2): length 2.9
  Bottom w0.5: SW57.2 D46.2
Net-(D47-Pad2): length 3
  Bottom w0.5: SW11.2 D47.2
Net-(D48-Pad2): length 2.9
  Bottom w0.5: SW24.2 D48.2
Net-(D49-Pad2): length 2.9
  Bottom w0.5: SW36.2 D49.2
Net-(D50-Pad2): length 2.9
  Bottom w0.5: SW49.2 D50.2
Net-(D51-Pad2): length 2.9
  Bottom w0.5: SW58.2 D51.2
Net-(D52-Pad2): length 3
  Bottom w0.5: SW12.2 D52.2
Net-(D53-Pad2): length 2.9
  Bottom w0.5: SW37.2 D53.2
Net-(D54-Pad2): length 2.9
  Bottom w0.5: SW50.2 D54.2
Net-(D55-Pad2): length 2.9
  Bottom w0.5: SW59.2 D55.2
Net-(D56-Pad2): length 3
  Bottom w0.5: SW13.2 D56.2
Net-(D57-Pad2): length 2.9
  Bottom w0.5: SW25.2 236.35,76.16 D57.2
Net-(D58-Pad2): length 2.8
  Bottom w0.5: 245.88,44.65 D58.2
Net-(D59-Pad2): length 2.9
  Bottom w0.5: SW51.2 D59.2
Net-(D60-Pad2): length 2.9
  Bottom w0.5: SW60.2 D60.2
Net-(R2-Pad1): length 2
  Bottom w0.5: U1.33 90.13,10.07 R2.1
Net-(R3-Pad2): length 1.9
  Bottom w0.5: U1.4 101.91,18.45 R3.2
Net-(R4-Pad2): length 2
  Bottom w0.5: U1.3 101.29,18.97 R4.2
unconnected-(U1-Pad38): length 1
  Bottom w0.5: U1.38 v1(94.13,15)
unconnected-(U1-Pad39): length 1.6
  Bottom w0.4: U1.39 v1(95.12,15.15)
unconnected-(U1-Pad40): length 1
  Bottom w0.5: U1.40 v1(95.27,16.14)

## Copper pours and planes (outline as drawn; the poured copper is in the pictures)
GND on Top, Bottom: 258.85,-5.96 -10.64,-5.96 -10.64,109.99 258.85,109.99
